# KiCad board modulo_seguidor-panel.kicad_pcb (continued)
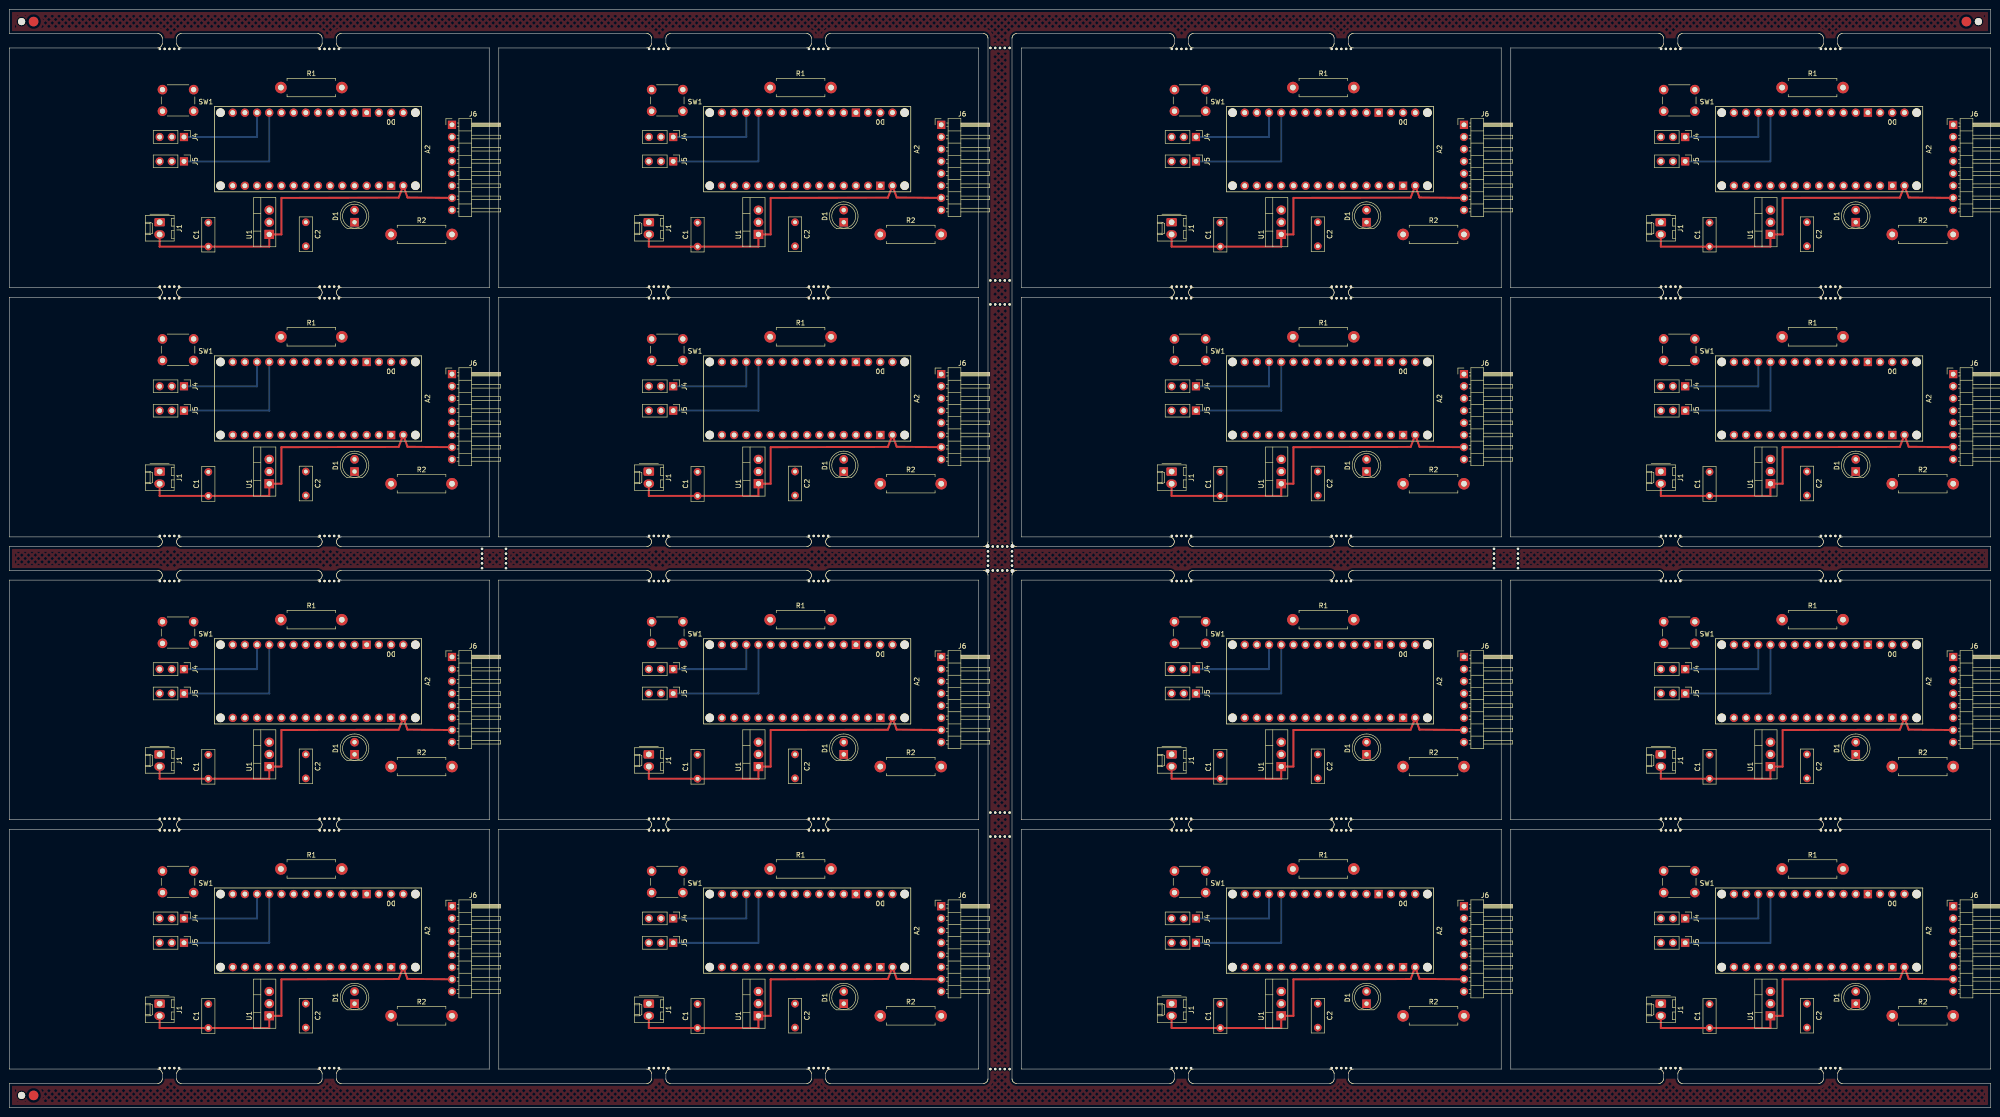
[diagram p0: board, top side]
## Placement (name value [footprint] x y rotation side) (continued)
KiKit_MB_50_5  -  [NPTH]  68.67 57.8 0 top
KiKit_MB_51_1  -  [NPTH]  35.33 8.2 0 top
KiKit_MB_51_2  -  [NPTH]  34.33 8.2 0 top
KiKit_MB_51_3  -  [NPTH]  33.33 8.2 0 top
KiKit_MB_51_4  -  [NPTH]  32.33 8.2 0 top
KiKit_MB_51_5  -  [NPTH]  31.33 8.2 0 top
KiKit_MB_52_1  -  [NPTH]  68.67 8.2 0 top
KiKit_MB_52_2  -  [NPTH]  67.67 8.2 0 top
KiKit_MB_52_3  -  [NPTH]  66.67 8.2 0 top
KiKit_MB_52_4  -  [NPTH]  65.67 8.2 0 top
KiKit_MB_52_5  -  [NPTH]  64.67 8.2 0 top
KiKit_MB_53_1  -  [NPTH]  133.33 57.8 0 top
KiKit_MB_53_2  -  [NPTH]  134.33 57.8 0 top
KiKit_MB_53_3  -  [NPTH]  135.33 57.8 0 top
KiKit_MB_53_4  -  [NPTH]  136.33 57.8 0 top
KiKit_MB_53_5  -  [NPTH]  137.33 57.8 0 top
KiKit_MB_54_1  -  [NPTH]  166.67 57.8 0 top
KiKit_MB_54_2  -  [NPTH]  167.67 57.8 0 top
KiKit_MB_54_3  -  [NPTH]  168.67 57.8 0 top
KiKit_MB_54_4  -  [NPTH]  169.67 57.8 0 top
KiKit_MB_54_5  -  [NPTH]  170.67 57.8 0 top
KiKit_MB_55_1  -  [NPTH]  137.33 8.2 0 top
KiKit_MB_55_2  -  [NPTH]  136.33 8.2 0 top
KiKit_MB_55_3  -  [NPTH]  135.33 8.2 0 top
KiKit_MB_55_4  -  [NPTH]  134.33 8.2 0 top
KiKit_MB_55_5  -  [NPTH]  133.33 8.2 0 top
KiKit_MB_56_1  -  [NPTH]  170.67 8.2 0 top
KiKit_MB_56_2  -  [NPTH]  169.67 8.2 0 top
KiKit_MB_56_3  -  [NPTH]  168.67 8.2 0 top
KiKit_MB_56_4  -  [NPTH]  167.67 8.2 0 top
KiKit_MB_56_5  -  [NPTH]  166.67 8.2 0 top
KiKit_MB_57_1  -  [NPTH]  242.33 57.8 0 top
KiKit_MB_57_2  -  [NPTH]  243.33 57.8 0 top
KiKit_MB_57_3  -  [NPTH]  244.33 57.8 0 top
KiKit_MB_57_4  -  [NPTH]  245.33 57.8 0 top
KiKit_MB_57_5  -  [NPTH]  246.33 57.8 0 top
KiKit_MB_58_1  -  [NPTH]  275.67 57.8 0 top
KiKit_MB_58_2  -  [NPTH]  276.67 57.8 0 top
KiKit_MB_58_3  -  [NPTH]  277.67 57.8 0 top
KiKit_MB_58_4  -  [NPTH]  278.67 57.8 0 top
KiKit_MB_58_5  -  [NPTH]  279.67 57.8 0 top
KiKit_MB_59_1  -  [NPTH]  246.33 8.2 0 top
KiKit_MB_59_2  -  [NPTH]  245.33 8.2 0 top
KiKit_MB_59_3  -  [NPTH]  244.33 8.2 0 top
KiKit_MB_59_4  -  [NPTH]  243.33 8.2 0 top
KiKit_MB_59_5  -  [NPTH]  242.33 8.2 0 top
KiKit_MB_60_1  -  [NPTH]  279.67 8.2 0 top
KiKit_MB_60_2  -  [NPTH]  278.67 8.2 0 top
KiKit_MB_60_3  -  [NPTH]  277.67 8.2 0 top
KiKit_MB_60_4  -  [NPTH]  276.67 8.2 0 top
KiKit_MB_60_5  -  [NPTH]  275.67 8.2 0 top
KiKit_MB_61_1  -  [NPTH]  344.33 57.8 0 top
KiKit_MB_61_2  -  [NPTH]  345.33 57.8 0 top
KiKit_MB_61_3  -  [NPTH]  346.33 57.8 0 top
KiKit_MB_61_4  -  [NPTH]  347.33 57.8 0 top
KiKit_MB_61_5  -  [NPTH]  348.33 57.8 0 top
KiKit_MB_62_1  -  [NPTH]  377.67 57.8 0 top
KiKit_MB_62_2  -  [NPTH]  378.67 57.8 0 top
KiKit_MB_62_3  -  [NPTH]  379.67 57.8 0 top
KiKit_MB_62_4  -  [NPTH]  380.67 57.8 0 top
KiKit_MB_62_5  -  [NPTH]  381.67 57.8 0 top
KiKit_MB_63_1  -  [NPTH]  348.33 8.2 0 top
KiKit_MB_63_2  -  [NPTH]  347.33 8.2 0 top
KiKit_MB_63_3  -  [NPTH]  346.33 8.2 0 top
KiKit_MB_63_4  -  [NPTH]  345.33 8.2 0 top
KiKit_MB_63_5  -  [NPTH]  344.33 8.2 0 top
KiKit_MB_64_1  -  [NPTH]  381.67 8.2 0 top
KiKit_MB_64_2  -  [NPTH]  380.67 8.2 0 top
KiKit_MB_64_3  -  [NPTH]  379.67 8.2 0 top
KiKit_MB_64_4  -  [NPTH]  378.67 8.2 0 top
KiKit_MB_64_5  -  [NPTH]  377.67 8.2 0 top
KiKit_MB_65_2  -  [NPTH]  98.5 116.5 0 top
KiKit_MB_65_3  -  [NPTH]  98.5 115.5 0 top
KiKit_MB_65_4  -  [NPTH]  98.5 114.5 0 top
KiKit_MB_65_5  -  [NPTH]  98.5 113.5 0 top
KiKit_MB_65_6  -  [NPTH]  98.5 112.5 0 top
KiKit_MB_66_2  -  [NPTH]  103.5 112.5 0 top
KiKit_MB_66_3  -  [NPTH]  103.5 113.5 0 top
KiKit_MB_66_4  -  [NPTH]  103.5 114.5 0 top
KiKit_MB_66_5  -  [NPTH]  103.5 115.5 0 top
KiKit_MB_66_6  -  [NPTH]  103.5 116.5 0 top
KiKit_MB_67_1  -  [NPTH]  204 117.25 0 top
KiKit_MB_68_1  -  [NPTH]  204 117 0 top
KiKit_MB_68_2  -  [NPTH]  204 116 0 top
KiKit_MB_68_3  -  [NPTH]  204 115 0 top
KiKit_MB_68_4  -  [NPTH]  204 114 0 top
KiKit_MB_68_5  -  [NPTH]  204 113 0 top
KiKit_MB_68_6  -  [NPTH]  204 112 0 top
KiKit_MB_69_1  -  [NPTH]  204 111.75 0 top
KiKit_MB_70_1  -  [NPTH]  209 111.75 0 top
KiKit_MB_71_1  -  [NPTH]  209 112 0 top
KiKit_MB_71_2  -  [NPTH]  209 113 0 top
KiKit_MB_71_3  -  [NPTH]  209 114 0 top
KiKit_MB_71_4  -  [NPTH]  209 115 0 top
KiKit_MB_71_5  -  [NPTH]  209 116 0 top
KiKit_MB_71_6  -  [NPTH]  209 117 0 top
KiKit_MB_72_1  -  [NPTH]  209 117.25 0 top
KiKit_MB_73_2  -  [NPTH]  309.5 116.5 0 top
KiKit_MB_73_3  -  [NPTH]  309.5 115.5 0 top
KiKit_MB_73_4  -  [NPTH]  309.5 114.5 0 top
KiKit_MB_73_5  -  [NPTH]  309.5 113.5 0 top
KiKit_MB_73_6  -  [NPTH]  309.5 112.5 0 top
KiKit_MB_74_2  -  [NPTH]  314.5 112.5 0 top
KiKit_MB_74_3  -  [NPTH]  314.5 113.5 0 top
KiKit_MB_74_4  -  [NPTH]  314.5 114.5 0 top
KiKit_MB_74_5  -  [NPTH]  314.5 115.5 0 top
KiKit_MB_74_6  -  [NPTH]  314.5 116.5 0 top
KiKit_MB_75_2  -  [NPTH]  208.5 221 0 top
KiKit_MB_75_3  -  [NPTH]  207.5 221 0 top
KiKit_MB_75_4  -  [NPTH]  206.5 221 0 top
KiKit_MB_75_5  -  [NPTH]  205.5 221 0 top
KiKit_MB_75_6  -  [NPTH]  204.5 221 0 top
KiKit_MB_76_2  -  [NPTH]  208.5 172.5 0 top
KiKit_MB_76_3  -  [NPTH]  207.5 172.5 0 top
KiKit_MB_76_4  -  [NPTH]  206.5 172.5 0 top
KiKit_MB_76_5  -  [NPTH]  205.5 172.5 0 top
KiKit_MB_76_6  -  [NPTH]  204.5 172.5 0 top
KiKit_MB_77_2  -  [NPTH]  204.5 167.5 0 top
KiKit_MB_77_3  -  [NPTH]  205.5 167.5 0 top
KiKit_MB_77_4  -  [NPTH]  206.5 167.5 0 top
KiKit_MB_77_5  -  [NPTH]  207.5 167.5 0 top
KiKit_MB_77_6  -  [NPTH]  208.5 167.5 0 top
KiKit_MB_78_1  -  [NPTH]  209.25 117 0 top
KiKit_MB_79_1  -  [NPTH]  209 117 0 top
KiKit_MB_79_2  -  [NPTH]  208 117 0 top
KiKit_MB_79_3  -  [NPTH]  207 117 0 top
KiKit_MB_79_4  -  [NPTH]  206 117 0 top
KiKit_MB_79_5  -  [NPTH]  205 117 0 top
KiKit_MB_79_6  -  [NPTH]  204 117 0 top
KiKit_MB_80_1  -  [NPTH]  203.75 117 0 top
KiKit_MB_81_2  -  [NPTH]  204.5 56.5 0 top
KiKit_MB_81_3  -  [NPTH]  205.5 56.5 0 top
KiKit_MB_81_4  -  [NPTH]  206.5 56.5 0 top
KiKit_MB_81_5  -  [NPTH]  207.5 56.5 0 top
KiKit_MB_81_6  -  [NPTH]  208.5 56.5 0 top
KiKit_MB_82_2  -  [NPTH]  208.5 8 0 top
KiKit_MB_82_3  -  [NPTH]  207.5 8 0 top
KiKit_MB_82_4  -  [NPTH]  206.5 8 0 top
KiKit_MB_82_5  -  [NPTH]  205.5 8 0 top
KiKit_MB_82_6  -  [NPTH]  204.5 8 0 top
KiKit_MB_83_1  -  [NPTH]  203.75 112 0 top
KiKit_MB_84_1  -  [NPTH]  204 112 0 top
KiKit_MB_84_2  -  [NPTH]  205 112 0 top
KiKit_MB_84_3  -  [NPTH]  206 112 0 top
KiKit_MB_84_4  -  [NPTH]  207 112 0 top
KiKit_MB_84_5  -  [NPTH]  208 112 0 top
KiKit_MB_84_6  -  [NPTH]  209 112 0 top
KiKit_MB_85_1  -  [NPTH]  209.25 112 0 top
KiKit_MB_86_2  -  [NPTH]  208.5 61.5 0 top
KiKit_MB_86_3  -  [NPTH]  207.5 61.5 0 top
KiKit_MB_86_4  -  [NPTH]  206.5 61.5 0 top
KiKit_MB_86_5  -  [NPTH]  205.5 61.5 0 top
KiKit_MB_86_6  -  [NPTH]  204.5 61.5 0 top
KiKit_TO_1  -  [NPTH#2]  2.5 226.5 0 top
KiKit_TO_2  -  [NPTH#2]  410.5 226.5 0 top
KiKit_TO_3  -  [NPTH#2]  2.5 2.5 0 top
R1  1k  [R_Axial_DIN0411_L9.9mm_D3.6mm_P12.70mm_Horizontal]  369.57 49.74 0 top
R1#2  1k  [R_Axial_DIN0411_L9.9mm_D3.6mm_P12.70mm_Horizontal]  158.57 212.74 0 top
R1#3  1k  [R_Axial_DIN0411_L9.9mm_D3.6mm_P12.70mm_Horizontal]  56.57 49.74 0 top
R1#4  1k  [R_Axial_DIN0411_L9.9mm_D3.6mm_P12.70mm_Horizontal]  267.57 49.74 0 top
R1#5  1k  [R_Axial_DIN0411_L9.9mm_D3.6mm_P12.70mm_Horizontal]  158.57 160.74 0 top
R1#6  1k  [R_Axial_DIN0411_L9.9mm_D3.6mm_P12.70mm_Horizontal]  369.57 212.74 0 top
R1#7  1k  [R_Axial_DIN0411_L9.9mm_D3.6mm_P12.70mm_Horizontal]  369.57 101.74 0 top
R1#8  1k  [R_Axial_DIN0411_L9.9mm_D3.6mm_P12.70mm_Horizontal]  56.57 160.74 0 top
R1#9  1k  [R_Axial_DIN0411_L9.9mm_D3.6mm_P12.70mm_Horizontal]  267.57 101.74 0 top
R1#10  1k  [R_Axial_DIN0411_L9.9mm_D3.6mm_P12.70mm_Horizontal]  267.57 212.74 0 top
R1#11  1k  [R_Axial_DIN0411_L9.9mm_D3.6mm_P12.70mm_Horizontal]  158.57 49.74 0 top
R1#12  1k  [R_Axial_DIN0411_L9.9mm_D3.6mm_P12.70mm_Horizontal]  369.57 160.74 0 top
R1#13  1k  [R_Axial_DIN0411_L9.9mm_D3.6mm_P12.70mm_Horizontal]  267.57 160.74 0 top
R1#14  1k  [R_Axial_DIN0411_L9.9mm_D3.6mm_P12.70mm_Horizontal]  56.57 101.74 0 top
R1#15  1k  [R_Axial_DIN0411_L9.9mm_D3.6mm_P12.70mm_Horizontal]  158.57 101.74 0 top
R1#16  1k  [R_Axial_DIN0411_L9.9mm_D3.6mm_P12.70mm_Horizontal]  56.57 212.74 0 top
R2  330  [R_Axial_DIN0411_L9.9mm_D3.6mm_P12.70mm_Horizontal]  79.54 19.1 0 top
R2#2  330  [R_Axial_DIN0411_L9.9mm_D3.6mm_P12.70mm_Horizontal]  181.54 19.1 0 top
R2#3  330  [R_Axial_DIN0411_L9.9mm_D3.6mm_P12.70mm_Horizontal]  392.54 182.1 0 top
R2#4  330  [R_Axial_DIN0411_L9.9mm_D3.6mm_P12.70mm_Horizontal]  181.54 130.1 0 top
R2#5  330  [R_Axial_DIN0411_L9.9mm_D3.6mm_P12.70mm_Horizontal]  392.54 130.1 0 top
R2#6  330  [R_Axial_DIN0411_L9.9mm_D3.6mm_P12.70mm_Horizontal]  79.54 182.1 0 top
R2#7  330  [R_Axial_DIN0411_L9.9mm_D3.6mm_P12.70mm_Horizontal]  181.54 182.1 0 top
R2#8  330  [R_Axial_DIN0411_L9.9mm_D3.6mm_P12.70mm_Horizontal]  392.54 71.1 0 top
R2#9  330  [R_Axial_DIN0411_L9.9mm_D3.6mm_P12.70mm_Horizontal]  290.54 130.1 0 top
R2#10  330  [R_Axial_DIN0411_L9.9mm_D3.6mm_P12.70mm_Horizontal]  290.54 71.1 0 top
R2#11  330  [R_Axial_DIN0411_L9.9mm_D3.6mm_P12.70mm_Horizontal]  392.54 19.1 0 top
R2#12  330  [R_Axial_DIN0411_L9.9mm_D3.6mm_P12.70mm_Horizontal]  290.54 19.1 0 top
R2#13  330  [R_Axial_DIN0411_L9.9mm_D3.6mm_P12.70mm_Horizontal]  79.54 71.1 0 top
R2#14  330  [R_Axial_DIN0411_L9.9mm_D3.6mm_P12.70mm_Horizontal]  181.54 71.1 0 top
R2#15  330  [R_Axial_DIN0411_L9.9mm_D3.6mm_P12.70mm_Horizontal]  290.54 182.1 0 top
R2#16  330  [R_Axial_DIN0411_L9.9mm_D3.6mm_P12.70mm_Horizontal]  79.54 130.1 0 top
SW1  SW_Push  [SW_PUSH_6mm]  351.37 44.81 180 top
SW1#2  SW_Push  [SW_PUSH_6mm]  38.37 96.81 180 top
SW1#3  SW_Push  [SW_PUSH_6mm]  249.37 207.81 180 top
SW1#4  SW_Push  [SW_PUSH_6mm]  140.37 44.81 180 top
SW1#5  SW_Push  [SW_PUSH_6mm]  140.37 155.81 180 top
SW1#6  SW_Push  [SW_PUSH_6mm]  249.37 155.81 180 top
SW1#7  SW_Push  [SW_PUSH_6mm]  38.37 44.81 180 top
SW1#8  SW_Push  [SW_PUSH_6mm]  140.37 96.81 180 top
SW1#9  SW_Push  [SW_PUSH_6mm]  249.37 96.81 180 top
SW1#10  SW_Push  [SW_PUSH_6mm]  351.37 207.81 180 top
SW1#11  SW_Push  [SW_PUSH_6mm]  351.37 96.81 180 top
SW1#12  SW_Push  [SW_PUSH_6mm]  351.37 155.81 180 top
SW1#13  SW_Push  [SW_PUSH_6mm]  38.37 155.81 180 top
SW1#14  SW_Push  [SW_PUSH_6mm]  140.37 207.81 180 top
SW1#15  SW_Push  [SW_PUSH_6mm]  249.37 44.81 180 top
SW1#16  SW_Push  [SW_PUSH_6mm]  38.37 207.81 180 top
U1  LM7806_TO220  [TO-220-3_Vertical]  265.14 19.1 90 top
U1#2  LM7806_TO220  [TO-220-3_Vertical]  367.14 182.1 90 top
U1#3  LM7806_TO220  [TO-220-3_Vertical]  367.14 71.1 90 top
U1#4  LM7806_TO220  [TO-220-3_Vertical]  54.14 19.1 90 top
U1#5  LM7806_TO220  [TO-220-3_Vertical]  265.14 182.1 90 top
U1#6  LM7806_TO220  [TO-220-3_Vertical]  54.14 130.1 90 top
U1#7  LM7806_TO220  [TO-220-3_Vertical]  367.14 19.1 90 top
U1#8  LM7806_TO220  [TO-220-3_Vertical]  156.14 19.1 90 top
U1#9  LM7806_TO220  [TO-220-3_Vertical]  156.14 130.1 90 top
U1#10  LM7806_TO220  [TO-220-3_Vertical]  367.14 130.1 90 top
U1#11  LM7806_TO220  [TO-220-3_Vertical]  54.14 71.1 90 top
U1#12  LM7806_TO220  [TO-220-3_Vertical]  54.14 182.1 90 top
U1#13  LM7806_TO220  [TO-220-3_Vertical]  265.14 130.1 90 top
U1#14  LM7806_TO220  [TO-220-3_Vertical]  156.14 182.1 90 top
U1#15  LM7806_TO220  [TO-220-3_Vertical]  265.14 71.1 90 top
U1#16  LM7806_TO220  [TO-220-3_Vertical]  156.14 71.1 90 top

## Library data of the parts
A2 A2#2-A2#16 = -: Datasheet: https://docs.arduino.cc/hardware/nano; Description: Socket for Arduino Nano; desc: Socket for Arduino Nano
C1 C1#2-C1#16 C2 C2#2-C2#16 = -: Description: Unpolarized capacitor; desc: Unpolarized capacitor; part: C
D1 D1#2-D1#16 = -: Description: Light emitting diode; desc: Light emitting diode
J1 J1#2-J1#16 = -: Description: Generic connector, single row, 01x02, script generated; desc: Generic connector, single row, 01x02, script generated; part: Conn_01x02_Socket
J4 J4#2-J4#16 J5 J5#2-J5#16 = -: Description: Generic connector, single row, 01x03, script generated; desc: Generic connector, single row, 01x03, script generated; part: Conn_01x03_Pin
J6 J6#2-J6#16 = -: Description: Generic connector, single row, 01x08, script generated; desc: Generic connector, single row, 01x08, script generated; part: Conn_01x08_Pin
R1 R1#2-R1#16 R2 R2#2-R2#16 = -: Description: Resistor, US symbol; desc: Resistor, US symbol; part: R_US
SW1 SW1#2-SW1#16 = -: Description: Push button switch, generic, two pins; desc: Push button switch, generic, two pins
U1 U1#2-U1#16 = -: Datasheet: https://www.onsemi.cn/PowerSolutions/document/MC7800-D.PDF; Description: Positive 1A 35V Linear Regulator, Fixed Output 6V, TO-220; desc: Positive 1A 35V Linear Regulator, Fixed Output 6V, TO-220

## Footprints (pads in the part's own frame, mm; a bottom-side part is the same pattern mirrored in y, then rotated)
Arduino_Nano_Socket
  round 1.8 hole 1.8 unplated: (-7.62,41.91) (-7.62,1.27) (7.62,41.91) (7.62,1.27)
  round 1.727 hole 1.016: 3V3(7.62,6.35) 5V(7.62,31.75) A0(7.62,11.43) A1(7.62,13.97) A2(7.62,16.51) A3(7.62,19.05) A4(7.62,21.59) A5(7.62,24.13) A6(7.62,26.67) A7(7.62,29.21) AREF(7.62,8.89) D0(-7.62,36.83) D1(-7.62,39.37) D2(-7.62,29.21) D3(-7.62,26.67) D4(-7.62,24.13) D5(-7.62,21.59) D6(-7.62,19.05) D7(-7.62,16.51) D8(-7.62,13.97) D9(-7.62,11.43) D10(-7.62,8.89) D11(-7.62,6.35) D12(-7.62,3.81) D13(7.62,3.81) RST1(-7.62,34.29) RST2(7.62,34.29) VIN(7.62,39.37)
  rect 1.727x1.727 hole 1.016: GND1(-7.62,31.75) GND2(7.62,36.83)
C_Disc_D7.0mm_W2.5mm_P5.00mm
  round 1.6 hole 0.8: 1(0,0) 2(5,0)
Fiducial
  round 2 smd: (0,0)
LED_D5.0mm
  rect 1.8x1.8 hole 0.9: 1(0,0)
  round 1.8 hole 0.9: 2(2.54,0)
Molex_KK-254_AE-6410-02A_1x02_P2.54mm_Vertical
  rrect 1.74x2.19 hole 1.19: 1(0,0)
  oval 1.74x2.19 hole 1.19: 2(2.54,0)
NPTH
  round 0.5 hole 0.5 unplated: (0,0)
NPTH#2
  round 1.5 hole 1.5 unplated: (0,0)
PinHeader_1x03_P2.54mm_Vertical
  rect 1.7x1.7 hole 1: 1(0,0)
  oval 1.7x1.7 hole 1: 2(0,-2.54) 3(0,-5.08)
PinHeader_1x08_P2.54mm_Horizontal
  rect 1.7x1.7 hole 1: 1(0,0)
  oval 1.7x1.7 hole 1: 2(0,-2.54) 3(0,-5.08) 4(0,-7.62) 5(0,-10.16) 6(0,-12.7) 7(0,-15.24) 8(0,-17.78)
R_Axial_DIN0411_L9.9mm_D3.6mm_P12.70mm_Horizontal
  round 2.4 hole 1.2: 1(0,0)
  oval 2.4x2.4 hole 1.2: 2(12.7,0)
SW_PUSH_6mm
  round 2 hole 1.1: 1(0,0) 1(6.5,0) 2(0,-4.5) 2(6.5,-4.5)
TO-220-3_Vertical
  rect 1.905x2 hole 1.1: 1(0,0)
  oval 1.905x2 hole 1.1: 2(2.54,0) 3(5.08,0)

## Nets
Board_0-+5V: A2#13.5V SW1#16.1
Board_0-/Boton_encendido: A2#13.D8 R1#16.1 SW1#16.2
Board_0-/PWM_DER: A2#13.D9 J5#8.1
Board_0-/PWM_IZQ: A2#13.D10 J4#13.1
Board_0-/Salida Regulador: C2#4.1 J4#13.2 J5#8.2 U1#12.3
Board_0-/Sensor1: A2#13.D7 J6#13.6
Board_0-/Sensor2: A2#13.D6 J6#13.5
Board_0-/Sensor3: A2#13.D5 J6#13.4
Board_0-/Sensor4: A2#13.D4 J6#13.3
Board_0-/Sensor5: A2#13.D3 J6#13.2
Board_0-/Sensor6: A2#13.D2 J6#13.1
Board_0-GND: A2#13.GND1 A2#13.GND2 C1#2.2 C2#4.2 J1#8.1 J4#13.3 J5#8.3 J6#13.8 R1#16.2 R2#6.2 U1#12.2
Board_0-Net-(D1-A): A2#13.A7 D1#6.2
Board_0-Net-(D1-K): D1#6.1 R2#6.1
Board_0-unconnected-(A2-3.3V-Pad3V3): A2#13.3V3
Board_0-unconnected-(A2-A4/SDA-PadA4): A2#13.A4
Board_0-unconnected-(A2-A5/SCL-PadA5): A2#13.A5
Board_0-unconnected-(A2-D0/RX-PadD0): A2#13.D0
Board_0-unconnected-(A2-D1/TX-PadD1): A2#13.D1
Board_0-unconnected-(A2-D11_MOSI-PadD11): A2#13.D11
Board_0-unconnected-(A2-D12_MISO-PadD12): A2#13.D12
Board_0-unconnected-(A2-D13_SCK-PadD13): A2#13.D13
Board_0-unconnected-(A2-PadA0): A2#13.A0
Board_0-unconnected-(A2-PadA1): A2#13.A1
Board_0-unconnected-(A2-PadA2): A2#13.A2
Board_0-unconnected-(A2-PadA3): A2#13.A3
Board_0-unconnected-(A2-PadA6): A2#13.A6
Board_0-unconnected-(A2-PadAREF): A2#13.AREF
Board_0-unconnected-(A2-RESET-PadRST1): A2#13.RST1
Board_0-unconnected-(A2-RESET-PadRST2): A2#13.RST2
Board_0-VCC: A2#13.VIN C1#2.1 J1#8.2 J6#13.7 U1#12.1
Board_1-+5V: A2#14.5V SW1#14.1
Board_1-/Boton_encendido: A2#14.D8 R1#2.1 SW1#14.2
Board_1-/PWM_DER: A2#14.D9 J5#4.1
Board_1-/PWM_IZQ: A2#14.D10 J4#16.1
Board_1-/Salida Regulador: C2#5.1 J4#16.2 J5#4.2 U1#14.3
Board_1-/Sensor1: A2#14.D7 J6.6
Board_1-/Sensor2: A2#14.D6 J6.5
Board_1-/Sensor3: A2#14.D5 J6.4
Board_1-/Sensor4: A2#14.D4 J6.3
Board_1-/Sensor5: A2#14.D3 J6.2
Board_1-/Sensor6: A2#14.D2 J6.1
Board_1-GND: A2#14.GND1 A2#14.GND2 C1#5.2 C2#5.2 J1#13.1 J4#16.3 J5#4.3 J6.8 R1#2.2 R2#7.2 U1#14.2
Board_1-Net-(D1-A): A2#14.A7 D1#8.2
Board_1-Net-(D1-K): D1#8.1 R2#7.1
Board_1-unconnected-(A2-3.3V-Pad3V3): A2#14.3V3
Board_1-unconnected-(A2-A4/SDA-PadA4): A2#14.A4
Board_1-unconnected-(A2-A5/SCL-PadA5): A2#14.A5
Board_1-unconnected-(A2-D0/RX-PadD0): A2#14.D0
Board_1-unconnected-(A2-D1/TX-PadD1): A2#14.D1
Board_1-unconnected-(A2-D11_MOSI-PadD11): A2#14.D11
Board_1-unconnected-(A2-D12_MISO-PadD12): A2#14.D12
Board_1-unconnected-(A2-D13_SCK-PadD13): A2#14.D13
Board_1-unconnected-(A2-PadA0): A2#14.A0
Board_1-unconnected-(A2-PadA1): A2#14.A1
Board_1-unconnected-(A2-PadA2): A2#14.A2
Board_1-unconnected-(A2-PadA3): A2#14.A3
Board_1-unconnected-(A2-PadA6): A2#14.A6
Board_1-unconnected-(A2-PadAREF): A2#14.AREF
Board_1-unconnected-(A2-RESET-PadRST1): A2#14.RST1
Board_1-unconnected-(A2-RESET-PadRST2): A2#14.RST2
Board_1-VCC: A2#14.VIN C1#5.1 J1#13.2 J6.7 U1#14.1
Board_2-+5V: A2#6.5V SW1#3.1
Board_2-/Boton_encendido: A2#6.D8 R1#10.1 SW1#3.2
Board_2-/PWM_DER: A2#6.D9 J5#6.1
Board_2-/PWM_IZQ: A2#6.D10 J4#2.1
Board_2-/Salida Regulador: C2#8.1 J4#2.2 J5#6.2 U1#5.3
Board_2-/Sensor1: A2#6.D7 J6#9.6
Board_2-/Sensor2: A2#6.D6 J6#9.5
Board_2-/Sensor3: A2#6.D5 J6#9.4
Board_2-/Sensor4: A2#6.D4 J6#9.3
Board_2-/Sensor5: A2#6.D3 J6#9.2
Board_2-/Sensor6: A2#6.D2 J6#9.1
Board_2-GND: A2#6.GND1 A2#6.GND2 C1#3.2 C2#8.2 J1#10.1 J4#2.3 J5#6.3 J6#9.8 R1#10.2 R2#15.2 U1#5.2
Board_2-Net-(D1-A): A2#6.A7 D1#12.2
Board_2-Net-(D1-K): D1#12.1 R2#15.1
Board_2-unconnected-(A2-3.3V-Pad3V3): A2#6.3V3
Board_2-unconnected-(A2-A4/SDA-PadA4): A2#6.A4
Board_2-unconnected-(A2-A5/SCL-PadA5): A2#6.A5
Board_2-unconnected-(A2-D0/RX-PadD0): A2#6.D0
Board_2-unconnected-(A2-D1/TX-PadD1): A2#6.D1
Board_2-unconnected-(A2-D11_MOSI-PadD11): A2#6.D11
Board_2-unconnected-(A2-D12_MISO-PadD12): A2#6.D12
Board_2-unconnected-(A2-D13_SCK-PadD13): A2#6.D13
Board_2-unconnected-(A2-PadA0): A2#6.A0
Board_2-unconnected-(A2-PadA1): A2#6.A1
Board_2-unconnected-(A2-PadA2): A2#6.A2
Board_2-unconnected-(A2-PadA3): A2#6.A3
Board_2-unconnected-(A2-PadA6): A2#6.A6
Board_2-unconnected-(A2-PadAREF): A2#6.AREF
Board_2-unconnected-(A2-RESET-PadRST1): A2#6.RST1
Board_2-unconnected-(A2-RESET-PadRST2): A2#6.RST2
Board_2-VCC: A2#6.VIN C1#3.1 J1#10.2 J6#9.7 U1#5.1
Board_3-+5V: A2#9.5V SW1#10.1
Board_3-/Boton_encendido: A2#9.D8 R1#6.1 SW1#10.2
Board_3-/PWM_DER: A2#9.D9 J5#13.1
Board_3-/PWM_IZQ: A2#9.D10 J4#11.1
Board_3-/Salida Regulador: C2.1 J4#11.2 J5#13.2 U1#2.3
Board_3-/Sensor1: A2#9.D7 J6#11.6
Board_3-/Sensor2: A2#9.D6 J6#11.5
Board_3-/Sensor3: A2#9.D5 J6#11.4
Board_3-/Sensor4: A2#9.D4 J6#11.3
Board_3-/Sensor5: A2#9.D3 J6#11.2
Board_3-/Sensor6: A2#9.D2 J6#11.1
Board_3-GND: A2#9.GND1 A2#9.GND2 C1#13.2 C2.2 J1#2.1 J4#11.3 J5#13.3 J6#11.8 R1#6.2 R2#3.2 U1#2.2
Board_3-Net-(D1-A): A2#9.A7 D1#4.2
Board_3-Net-(D1-K): D1#4.1 R2#3.1
Board_3-unconnected-(A2-3.3V-Pad3V3): A2#9.3V3
Board_3-unconnected-(A2-A4/SDA-PadA4): A2#9.A4
Board_3-unconnected-(A2-A5/SCL-PadA5): A2#9.A5
Board_3-unconnected-(A2-D0/RX-PadD0): A2#9.D0
Board_3-unconnected-(A2-D1/TX-PadD1): A2#9.D1
Board_3-unconnected-(A2-D11_MOSI-PadD11): A2#9.D11
Board_3-unconnected-(A2-D12_MISO-PadD12): A2#9.D12
Board_3-unconnected-(A2-D13_SCK-PadD13): A2#9.D13
Board_3-unconnected-(A2-PadA0): A2#9.A0
Board_3-unconnected-(A2-PadA1): A2#9.A1
Board_3-unconnected-(A2-PadA2): A2#9.A2
Board_3-unconnected-(A2-PadA3): A2#9.A3
Board_3-unconnected-(A2-PadA6): A2#9.A6
Board_3-unconnected-(A2-PadAREF): A2#9.AREF
Board_3-unconnected-(A2-RESET-PadRST1): A2#9.RST1
Board_3-unconnected-(A2-RESET-PadRST2): A2#9.RST2
Board_3-VCC: A2#9.VIN C1#13.1 J1#2.2 J6#11.7 U1#2.1
Board_4-+5V: A2#5.5V SW1#13.1
Board_4-/Boton_encendido: A2#5.D8 R1#8.1 SW1#13.2
Board_4-/PWM_DER: A2#5.D9 J5#16.1
Board_4-/PWM_IZQ: A2#5.D10 J4#10.1
Board_4-/Salida Regulador: C2#15.1 J4#10.2 J5#16.2 U1#6.3
Board_4-/Sensor1: A2#5.D7 J6#12.6
Board_4-/Sensor2: A2#5.D6 J6#12.5
Board_4-/Sensor3: A2#5.D5 J6#12.4
Board_4-/Sensor4: A2#5.D4 J6#12.3
Board_4-/Sensor5: A2#5.D3 J6#12.2
Board_4-/Sensor6: A2#5.D2 J6#12.1
Board_4-GND: A2#5.GND1 A2#5.GND2 C1#11.2 C2#15.2 J1#9.1 J4#10.3 J5#16.3 J6#12.8 R1#8.2 R2#16.2 U1#6.2
Board_4-Net-(D1-A): A2#5.A7 D1#7.2
Board_4-Net-(D1-K): D1#7.1 R2#16.1
Board_4-unconnected-(A2-3.3V-Pad3V3): A2#5.3V3
Board_4-unconnected-(A2-A4/SDA-PadA4): A2#5.A4
Board_4-unconnected-(A2-A5/SCL-PadA5): A2#5.A5
Board_4-unconnected-(A2-D0/RX-PadD0): A2#5.D0
Board_4-unconnected-(A2-D1/TX-PadD1): A2#5.D1
Board_4-unconnected-(A2-D11_MOSI-PadD11): A2#5.D11
Board_4-unconnected-(A2-D12_MISO-PadD12): A2#5.D12
Board_4-unconnected-(A2-D13_SCK-PadD13): A2#5.D13
Board_4-unconnected-(A2-PadA0): A2#5.A0
Board_4-unconnected-(A2-PadA1): A2#5.A1
Board_4-unconnected-(A2-PadA2): A2#5.A2
Board_4-unconnected-(A2-PadA3): A2#5.A3
Board_4-unconnected-(A2-PadA6): A2#5.A6
Board_4-unconnected-(A2-PadAREF): A2#5.AREF
Board_4-unconnected-(A2-RESET-PadRST1): A2#5.RST1
Board_4-unconnected-(A2-RESET-PadRST2): A2#5.RST2
Board_4-VCC: A2#5.VIN C1#11.1 J1#9.2 J6#12.7 U1#6.1
Board_5-+5V: A2#15.5V SW1#5.1
Board_5-/Boton_encendido: A2#15.D8 R1#5.1 SW1#5.2
Board_5-/PWM_DER: A2#15.D9 J5.1
Board_5-/PWM_IZQ: A2#15.D10 J4#14.1
Board_5-/Salida Regulador: C2#13.1 J4#14.2 J5.2 U1#9.3
Board_5-/Sensor1: A2#15.D7 J6#5.6
Board_5-/Sensor2: A2#15.D6 J6#5.5
Board_5-/Sensor3: A2#15.D5 J6#5.4
Board_5-/Sensor4: A2#15.D4 J6#5.3
Board_5-/Sensor5: A2#15.D3 J6#5.2
Board_5-/Sensor6: A2#15.D2 J6#5.1
Board_5-GND: A2#15.GND1 A2#15.GND2 C1#9.2 C2#13.2 J1#4.1 J4#14.3 J5.3 J6#5.8 R1#5.2 R2#4.2 U1#9.2
Board_5-Net-(D1-A): A2#15.A7 D1#14.2
Board_5-Net-(D1-K): D1#14.1 R2#4.1
Board_5-unconnected-(A2-3.3V-Pad3V3): A2#15.3V3
Board_5-unconnected-(A2-A4/SDA-PadA4): A2#15.A4
Board_5-unconnected-(A2-A5/SCL-PadA5): A2#15.A5
Board_5-unconnected-(A2-D0/RX-PadD0): A2#15.D0
Board_5-unconnected-(A2-D1/TX-PadD1): A2#15.D1
Board_5-unconnected-(A2-D11_MOSI-PadD11): A2#15.D11
Board_5-unconnected-(A2-D12_MISO-PadD12): A2#15.D12
Board_5-unconnected-(A2-D13_SCK-PadD13): A2#15.D13
Board_5-unconnected-(A2-PadA0): A2#15.A0
Board_5-unconnected-(A2-PadA1): A2#15.A1
Board_5-unconnected-(A2-PadA2): A2#15.A2
Board_5-unconnected-(A2-PadA3): A2#15.A3
Board_5-unconnected-(A2-PadA6): A2#15.A6
Board_5-unconnected-(A2-PadAREF): A2#15.AREF
Board_5-unconnected-(A2-RESET-PadRST1): A2#15.RST1
Board_5-unconnected-(A2-RESET-PadRST2): A2#15.RST2
Board_5-VCC: A2#15.VIN C1#9.1 J1#4.2 J6#5.7 U1#9.1
Board_6-+5V: A2#11.5V SW1#6.1
Board_6-/Boton_encendido: A2#11.D8 R1#13.1 SW1#6.2
Board_6-/PWM_DER: A2#11.D9 J5#2.1
Board_6-/PWM_IZQ: A2#11.D10 J4#15.1
Board_6-/Salida Regulador: C2#9.1 J4#15.2 J5#2.2 U1#13.3
Board_6-/Sensor1: A2#11.D7 J6#8.6
Board_6-/Sensor2: A2#11.D6 J6#8.5
Board_6-/Sensor3: A2#11.D5 J6#8.4
Board_6-/Sensor4: A2#11.D4 J6#8.3
Board_6-/Sensor5: A2#11.D3 J6#8.2
Board_6-/Sensor6: A2#11.D2 J6#8.1
Board_6-GND: A2#11.GND1 A2#11.GND2 C1#4.2 C2#9.2 J1#15.1 J4#15.3 J5#2.3 J6#8.8 R1#13.2 R2#9.2 U1#13.2
Board_6-Net-(D1-A): A2#11.A7 D1#16.2
Board_6-Net-(D1-K): D1#16.1 R2#9.1
Board_6-unconnected-(A2-3.3V-Pad3V3): A2#11.3V3
Board_6-unconnected-(A2-A4/SDA-PadA4): A2#11.A4
Board_6-unconnected-(A2-A5/SCL-PadA5): A2#11.A5
Board_6-unconnected-(A2-D0/RX-PadD0): A2#11.D0
Board_6-unconnected-(A2-D1/TX-PadD1): A2#11.D1
Board_6-unconnected-(A2-D11_MOSI-PadD11): A2#11.D11
Board_6-unconnected-(A2-D12_MISO-PadD12): A2#11.D12
Board_6-unconnected-(A2-D13_SCK-PadD13): A2#11.D13
Board_6-unconnected-(A2-PadA0): A2#11.A0
Board_6-unconnected-(A2-PadA1): A2#11.A1
Board_6-unconnected-(A2-PadA2): A2#11.A2
Board_6-unconnected-(A2-PadA3): A2#11.A3
Board_6-unconnected-(A2-PadA6): A2#11.A6
Board_6-unconnected-(A2-PadAREF): A2#11.AREF
Board_6-unconnected-(A2-RESET-PadRST1): A2#11.RST1
Board_6-unconnected-(A2-RESET-PadRST2): A2#11.RST2
Board_6-VCC: A2#11.VIN C1#4.1 J1#15.2 J6#8.7 U1#13.1
Board_7-+5V: A2#16.5V SW1#12.1
Board_7-/Boton_encendido: A2#16.D8 R1#12.1 SW1#12.2
Board_7-/PWM_DER: A2#16.D9 J5#12.1
Board_7-/PWM_IZQ: A2#16.D10 J4#12.1
Board_7-/Salida Regulador: C2#3.1 J4#12.2 J5#12.2 U1#10.3
Board_7-/Sensor1: A2#16.D7 J6#4.6
Board_7-/Sensor2: A2#16.D6 J6#4.5
Board_7-/Sensor3: A2#16.D5 J6#4.4
Board_7-/Sensor4: A2#16.D4 J6#4.3
Board_7-/Sensor5: A2#16.D3 J6#4.2
Board_7-/Sensor6: A2#16.D2 J6#4.1
Board_7-GND: A2#16.GND1 A2#16.GND2 C1#6.2 C2#3.2 J1#14.1 J4#12.3 J5#12.3 J6#4.8 R1#12.2 R2#5.2 U1#10.2
Board_7-Net-(D1-A): A2#16.A7 D1#2.2
Board_7-Net-(D1-K): D1#2.1 R2#5.1
Board_7-unconnected-(A2-3.3V-Pad3V3): A2#16.3V3
Board_7-unconnected-(A2-A4/SDA-PadA4): A2#16.A4
Board_7-unconnected-(A2-A5/SCL-PadA5): A2#16.A5
Board_7-unconnected-(A2-D0/RX-PadD0): A2#16.D0
Board_7-unconnected-(A2-D1/TX-PadD1): A2#16.D1
Board_7-unconnected-(A2-D11_MOSI-PadD11): A2#16.D11
Board_7-unconnected-(A2-D12_MISO-PadD12): A2#16.D12
Board_7-unconnected-(A2-D13_SCK-PadD13): A2#16.D13
Board_7-unconnected-(A2-PadA0): A2#16.A0
Board_7-unconnected-(A2-PadA1): A2#16.A1
Board_7-unconnected-(A2-PadA2): A2#16.A2
Board_7-unconnected-(A2-PadA3): A2#16.A3
Board_7-unconnected-(A2-PadA6): A2#16.A6
Board_7-unconnected-(A2-PadAREF): A2#16.AREF
Board_7-unconnected-(A2-RESET-PadRST1): A2#16.RST1
Board_7-unconnected-(A2-RESET-PadRST2): A2#16.RST2
Board_7-VCC: A2#16.VIN C1#6.1 J1#14.2 J6#4.7 U1#10.1
Board_8-+5V: A2#3.5V SW1#2.1
Board_8-/Boton_encendido: A2#3.D8 R1#14.1 SW1#2.2
Board_8-/PWM_DER: A2#3.D9 J5#10.1
Board_8-/PWM_IZQ: A2#3.D10 J4.1
Board_8-/Salida Regulador: C2#14.1 J4.2 J5#10.2 U1#11.3
Board_8-/Sensor1: A2#3.D7 J6#2.6
Board_8-/Sensor2: A2#3.D6 J6#2.5
Board_8-/Sensor3: A2#3.D5 J6#2.4
Board_8-/Sensor4: A2#3.D4 J6#2.3
Board_8-/Sensor5: A2#3.D3 J6#2.2
Board_8-/Sensor6: A2#3.D2 J6#2.1
Board_8-GND: A2#3.GND1 A2#3.GND2 C1#15.2 C2#14.2 J1#7.1 J4.3 J5#10.3 J6#2.8 R1#14.2 R2#13.2 U1#11.2
Board_8-Net-(D1-A): A2#3.A7 D1.2
Board_8-Net-(D1-K): D1.1 R2#13.1
Board_8-unconnected-(A2-3.3V-Pad3V3): A2#3.3V3
Board_8-unconnected-(A2-A4/SDA-PadA4): A2#3.A4
Board_8-unconnected-(A2-A5/SCL-PadA5): A2#3.A5
Board_8-unconnected-(A2-D0/RX-PadD0): A2#3.D0
Board_8-unconnected-(A2-D1/TX-PadD1): A2#3.D1
Board_8-unconnected-(A2-D11_MOSI-PadD11): A2#3.D11
Board_8-unconnected-(A2-D12_MISO-PadD12): A2#3.D12
Board_8-unconnected-(A2-D13_SCK-PadD13): A2#3.D13
Board_8-unconnected-(A2-PadA0): A2#3.A0
Board_8-unconnected-(A2-PadA1): A2#3.A1
Board_8-unconnected-(A2-PadA2): A2#3.A2
Board_8-unconnected-(A2-PadA3): A2#3.A3
Board_8-unconnected-(A2-PadA6): A2#3.A6
Board_8-unconnected-(A2-PadAREF): A2#3.AREF
Board_8-unconnected-(A2-RESET-PadRST1): A2#3.RST1
Board_8-unconnected-(A2-RESET-PadRST2): A2#3.RST2
Board_8-VCC: A2#3.VIN C1#15.1 J1#7.2 J6#2.7 U1#11.1
Board_9-+5V: A2#10.5V SW1#8.1
Board_9-/Boton_encendido: A2#10.D8 R1#15.1 SW1#8.2
Board_9-/PWM_DER: A2#10.D9 J5#14.1
Board_9-/PWM_IZQ: A2#10.D10 J4#8.1
Board_9-/Salida Regulador: C2#7.1 J4#8.2 J5#14.2 U1#16.3
Board_9-/Sensor1: A2#10.D7 J6#10.6
Board_9-/Sensor2: A2#10.D6 J6#10.5
Board_9-/Sensor3: A2#10.D5 J6#10.4
Board_9-/Sensor4: A2#10.D4 J6#10.3
Board_9-/Sensor5: A2#10.D3 J6#10.2
Board_9-/Sensor6: A2#10.D2 J6#10.1
Board_9-GND: A2#10.GND1 A2#10.GND2 C1#10.2 C2#7.2 J1#16.1 J4#8.3 J5#14.3 J6#10.8 R1#15.2 R2#14.2 U1#16.2
Board_9-Net-(D1-A): A2#10.A7 D1#9.2
Board_9-Net-(D1-K): D1#9.1 R2#14.1
Board_9-unconnected-(A2-3.3V-Pad3V3): A2#10.3V3
Board_9-unconnected-(A2-A4/SDA-PadA4): A2#10.A4
Board_9-unconnected-(A2-A5/SCL-PadA5): A2#10.A5
Board_9-unconnected-(A2-D0/RX-PadD0): A2#10.D0
Board_9-unconnected-(A2-D1/TX-PadD1): A2#10.D1
Board_9-unconnected-(A2-D11_MOSI-PadD11): A2#10.D11
Board_9-unconnected-(A2-D12_MISO-PadD12): A2#10.D12
Board_9-unconnected-(A2-D13_SCK-PadD13): A2#10.D13
Board_9-unconnected-(A2-PadA0): A2#10.A0
Board_9-unconnected-(A2-PadA1): A2#10.A1
Board_9-unconnected-(A2-PadA2): A2#10.A2
Board_9-unconnected-(A2-PadA3): A2#10.A3
Board_9-unconnected-(A2-PadA6): A2#10.A6
Board_9-unconnected-(A2-PadAREF): A2#10.AREF
Board_9-unconnected-(A2-RESET-PadRST1): A2#10.RST1
Board_9-unconnected-(A2-RESET-PadRST2): A2#10.RST2
Board_9-VCC: A2#10.VIN C1#10.1 J1#16.2 J6#10.7 U1#16.1
Board_10-+5V: A2.5V SW1#9.1
Board_10-/Boton_encendido: A2.D8 R1#9.1 SW1#9.2
Board_10-/PWM_DER: A2.D9 J5#11.1
Board_10-/PWM_IZQ: A2.D10 J4#5.1
Board_10-/Salida Regulador: C2#2.1 J4#5.2 J5#11.2 U1#15.3
Board_10-/Sensor1: A2.D7 J6#3.6
Board_10-/Sensor2: A2.D6 J6#3.5
Board_10-/Sensor3: A2.D5 J6#3.4
Board_10-/Sensor4: A2.D4 J6#3.3
Board_10-/Sensor5: A2.D3 J6#3.2
Board_10-/Sensor6: A2.D2 J6#3.1
Board_10-GND: A2.GND1 A2.GND2 C1.2 C2#2.2 J1#5.1 J4#5.3 J5#11.3 J6#3.8 R1#9.2 R2#10.2 U1#15.2
Board_10-Net-(D1-A): A2.A7 D1#10.2
Board_10-Net-(D1-K): D1#10.1 R2#10.1
Board_10-unconnected-(A2-3.3V-Pad3V3): A2.3V3
Board_10-unconnected-(A2-A4/SDA-PadA4): A2.A4
Board_10-unconnected-(A2-A5/SCL-PadA5): A2.A5
Board_10-unconnected-(A2-D0/RX-PadD0): A2.D0
Board_10-unconnected-(A2-D1/TX-PadD1): A2.D1
Board_10-unconnected-(A2-D11_MOSI-PadD11): A2.D11
Board_10-unconnected-(A2-D12_MISO-PadD12): A2.D12
Board_10-unconnected-(A2-D13_SCK-PadD13): A2.D13
Board_10-unconnected-(A2-PadA0): A2.A0
Board_10-unconnected-(A2-PadA1): A2.A1
Board_10-unconnected-(A2-PadA2): A2.A2
Board_10-unconnected-(A2-PadA3): A2.A3
Board_10-unconnected-(A2-PadA6): A2.A6
Board_10-unconnected-(A2-PadAREF): A2.AREF
